# KiCad board ADHW.kicad_pcb (continued)
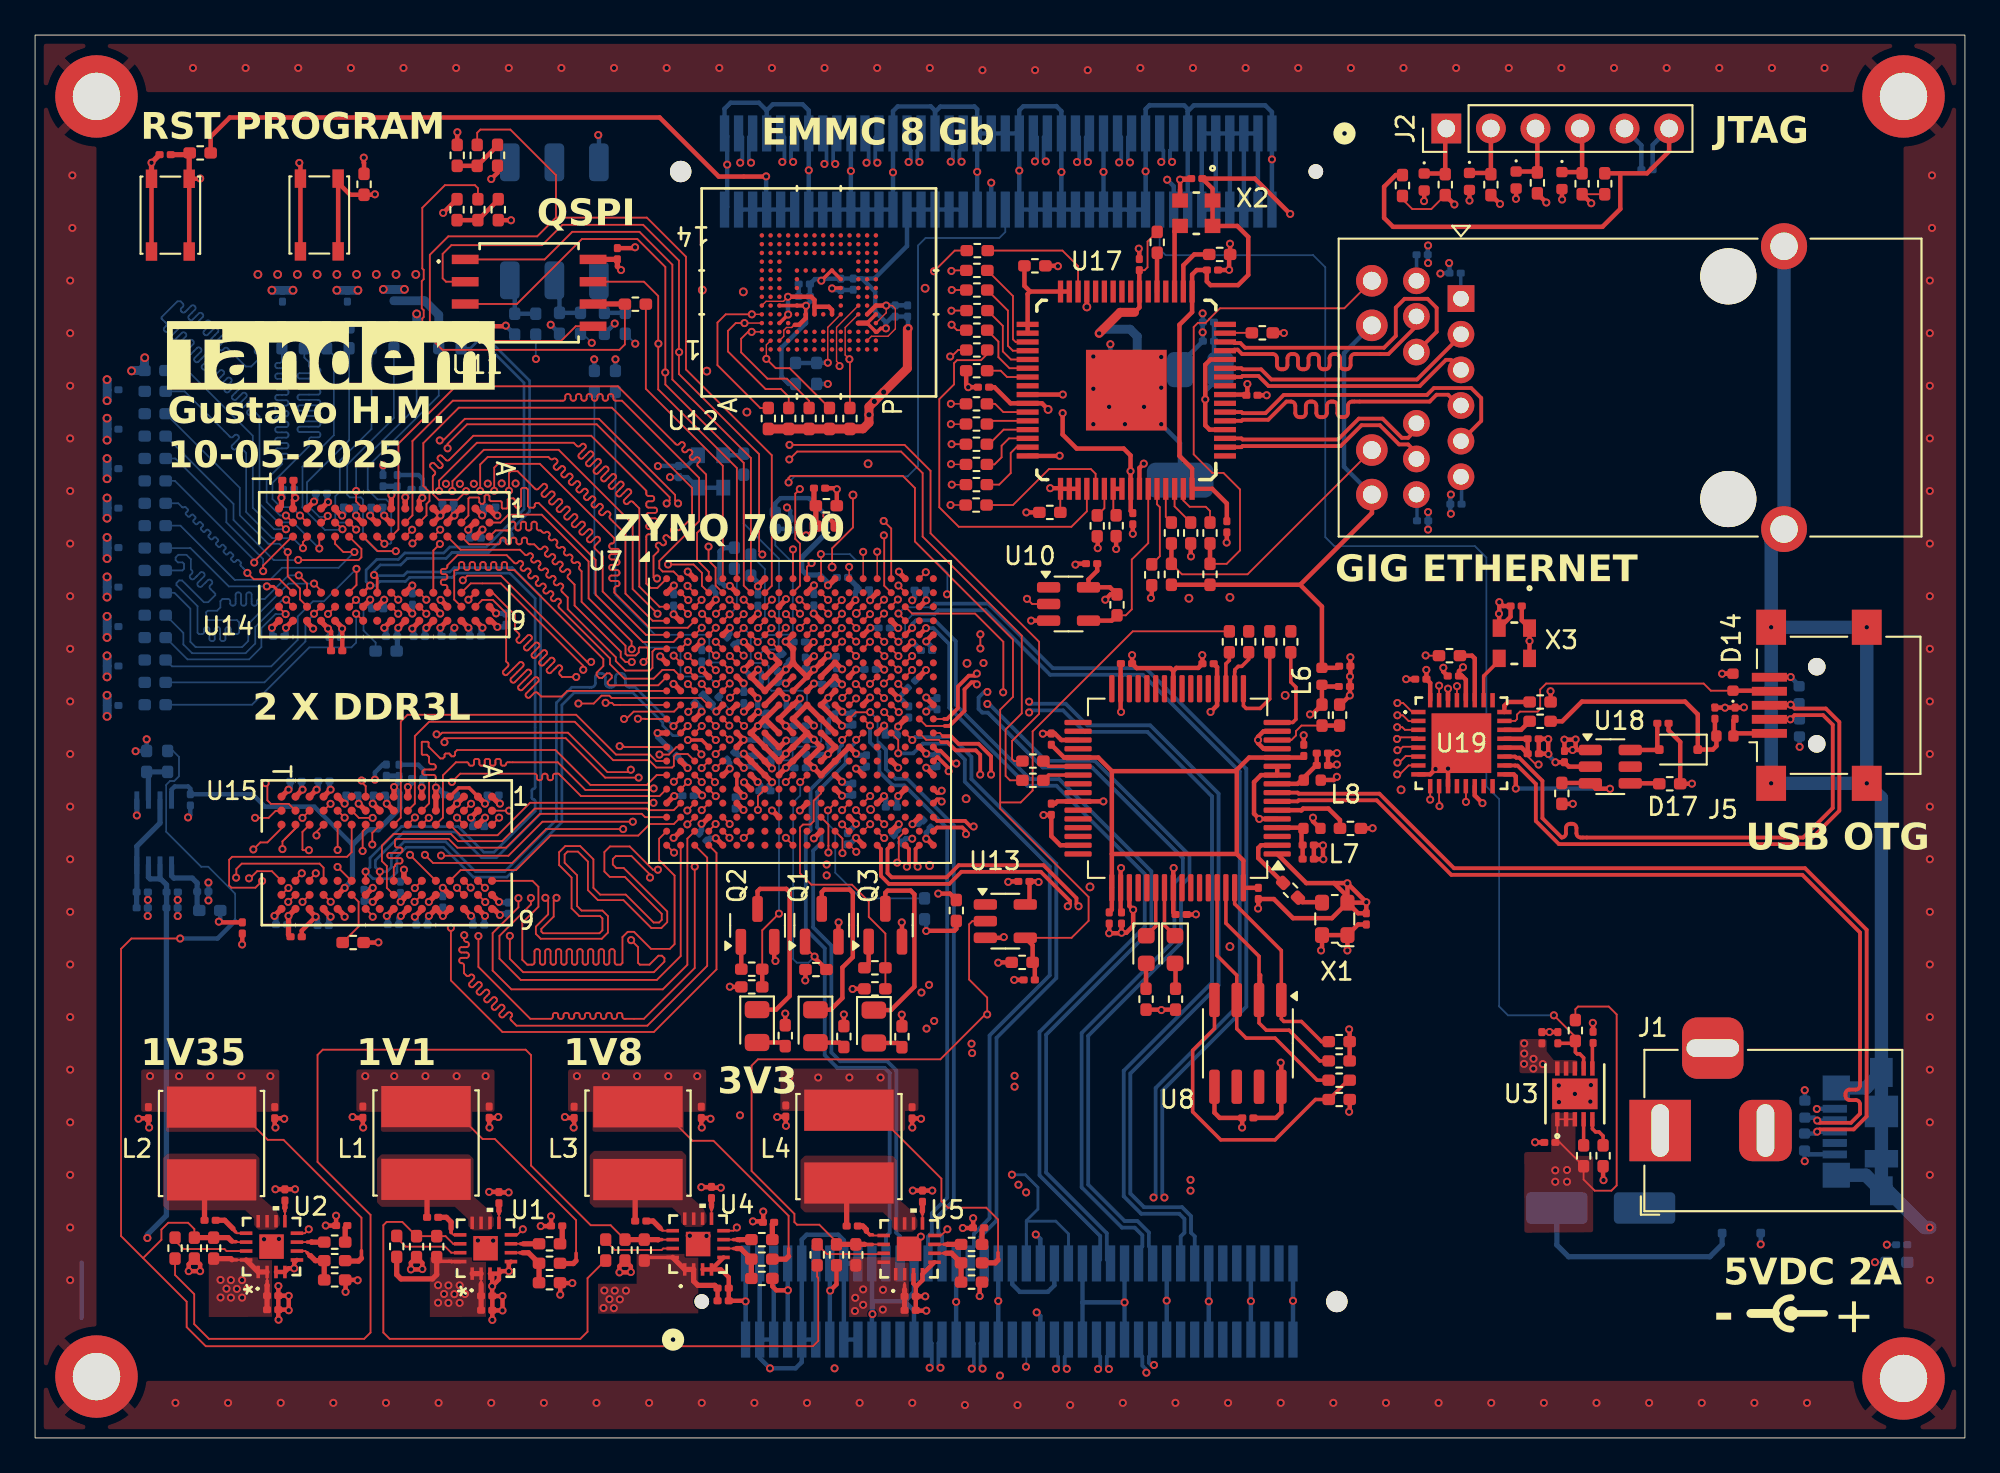
[diagram p0: board, top side]
## Routing (per net, layer and track width the routed paths; a pad name or vN(x,y) marks a point on that pad's centre or on a via; arc(x,y) is an arc through that point) (continued)
  Bottom w0.1: v1(15.03,49.19) 14.44,49.19 13.09,47.84 12.77,47.84 arc(12.68,47.8) 12.65,47.72 12.65,47.59 arc(12.61,47.5) 12.53,47.46 12.47,47.46 arc(12.38,47.5) 12.34,47.59 12.34,48.09 arc(12.31,48.18) 12.22,48.21 12.16,48.21 arc(12.07,48.18) 12.04,48.09 12.04,47.59 arc(12,47.5) 11.92,47.46 11.86,47.46 arc(11.77,47.5) 11.73,47.59 11.73,48.09 arc(11.7,48.18) 11.61,48.21 11.55,48.21 arc(11.46,48.18) 11.43,48.09 11.43,47.59 arc(11.39,47.5) 11.31,47.46 11.25,47.46 arc(11.16,47.5) 11.12,47.59 11.12,47.72 arc(11.09,47.8) 11,47.84 10.68,47.84 10.56,47.72 10.56,47.36 10.37,47.17 9.84,47.17 9.75,47.08 9.75,46.72 9.83,46.64 11.5,46.64 11.63,46.51 11.63,45.93 11.54,45.84 11.28,45.84 arc(11.19,45.88) 11.16,45.96 11.16,46.12 arc(11.12,46.2) 11.03,46.24 10.97,46.24 arc(10.89,46.2) 10.85,46.12 10.85,45.56 arc(10.82,45.48) 10.73,45.44 10.67,45.44 arc(10.58,45.48) 10.55,45.56 10.55,46.12 arc(10.51,46.2) 10.42,46.24 10.36,46.24 arc(10.28,46.2) 10.24,46.12 10.24,45.56 arc(10.21,45.48) 10.12,45.44 10.06,45.44 arc(9.97,45.48) 9.94,45.56 9.94,46.12 arc(9.9,46.2) 9.81,46.24 9.75,46.24 arc(9.67,46.2) 9.63,46.12 9.63,45.96 arc(9.6,45.88) 9.51,45.84 9.34,45.84 9.26,45.92 9.26,47.43 8.06,48.63 8.06,48.75 8.21,48.9 8.38,48.9 9.62,47.66 9.87,47.66 10.27,48.06 10.27,48.14 9.97,48.44 arc(9.94,48.52) 9.97,48.61 10.07,48.7 arc(10.1,48.79) 10.07,48.87 10.02,48.92 arc(9.94,48.95) 9.85,48.92 9.49,48.56 arc(9.41,48.52) 9.32,48.56 9.28,48.6 arc(9.24,48.69) 9.28,48.77 9.64,49.13 arc(9.67,49.22) 9.64,49.3 9.59,49.35 arc(9.51,49.38) 9.42,49.35 9.06,48.99 arc(8.98,48.95) 8.89,48.99 8.85,49.03 arc(8.81,49.12) 8.85,49.2 8.94,49.3 arc(8.98,49.38) 8.94,49.47 8.88,49.53 8.88,50.11 8.63,50.36 8.16,50.36 8.01,50.21 8.01,50.06 8.14,49.93 8.4,49.93 8.49,49.84 8.49,49.56 8.4,49.47 R107.2
DDR_A2: length 106.8
  Top w0.102: U15.P3 15.65,34.97 15.24,34.56 15.24,33.55 15.27,33.52 v1(15.61,33.52) ; U7.M3 v1(38,40.6) ; v1(15.27,50.74) 15.27,51.09 15.5,51.32 U14.P3
  In5.Cu w0.1: v1(15.61,33.52) 15.27,33.52 14.54,34.25 14.54,36.46 14.85,36.77 14.85,37.11 16.9,39.16 17.63,39.16 17.75,39.28 arc(17.82,39.31) 17.88,39.28 arc(17.94,39.26) 18.01,39.28 18.09,39.37 arc(18.12,39.43) 18.09,39.5 arc(18.07,39.56) 18.09,39.62 18.18,39.71 arc(18.25,39.74) 18.31,39.71 arc(18.37,39.69) 18.44,39.71 18.53,39.8 arc(18.55,39.86) 18.53,39.93 arc(18.5,39.99) 18.53,40.06 19.54,41.07 32.97,41.07 33.37,41.47 34.93,41.47 35.26,41.8 38.4,41.8 38.43,41.77 38.43,41.24 38.22,41.03 38.09,41.03 38,40.94 v1(38,40.6)
  In7.Cu w0.1: v1(15.61,33.52) 14.17,34.95 12.16,34.95 11.3,35.81 11.3,35.92 arc(11.26,36) 11.18,36.04 11.05,36.04 arc(10.97,36.08) 10.93,36.16 10.93,36.22 arc(10.97,36.31) 11.05,36.34 11.18,36.34 arc(11.26,36.38) 11.3,36.47 11.3,36.53 arc(11.26,36.61) 11.18,36.65 11.05,36.65 arc(10.97,36.69) 10.93,36.77 10.93,36.83 arc(10.97,36.92) 11.05,36.95 11.18,36.95 arc(11.26,36.99) 11.3,37.08 11.3,37.14 arc(11.26,37.22) 11.18,37.26 11.05,37.26 arc(10.97,37.29) 10.93,37.38 10.93,37.44 arc(10.97,37.53) 11.05,37.56 11.18,37.56 arc(11.26,37.6) 11.3,37.69 11.3,37.75 arc(11.26,37.83) 11.18,37.87 11.05,37.87 arc(10.97,37.9) 10.93,37.99 10.93,38.05 arc(10.97,38.14) 11.05,38.17 11.18,38.17 arc(11.26,38.21) 11.3,38.3 11.3,38.36 arc(11.26,38.44) 11.18,38.48 11.05,38.48 arc(10.97,38.51) 10.93,38.6 10.93,38.66 arc(10.97,38.75) 11.05,38.78 11.18,38.78 arc(11.26,38.82) 11.3,38.91 11.3,38.97 arc(11.26,39.05) 11.18,39.09 11.05,39.09 arc(10.97,39.12) 10.93,39.21 10.93,39.27 arc(10.97,39.36) 11.05,39.39 11.18,39.39 arc(11.26,39.43) 11.3,39.51 11.3,39.58 arc(11.26,39.66) 11.18,39.7 11.05,39.7 arc(10.97,39.73) 10.93,39.82 10.93,39.88 arc(10.97,39.97) 11.05,40 11.18,40 arc(11.26,40.04) 11.3,40.12 11.3,40.19 arc(11.26,40.27) 11.18,40.31 11.05,40.31 arc(10.97,40.34) 10.93,40.43 10.93,40.49 arc(10.97,40.58) 11.05,40.61 11.18,40.61 arc(11.26,40.65) 11.3,40.73 11.3,40.89 10.98,41.21 10.98,41.48 11.18,41.68 arc(11.26,41.71) 11.35,41.68 11.78,41.25 arc(11.86,41.21) 11.95,41.25 11.99,41.29 arc(12.03,41.38) 11.99,41.46 11.56,41.89 arc(11.53,41.98) 11.56,42.06 11.61,42.11 arc(11.69,42.14) 11.78,42.11 12.21,41.68 arc(12.29,41.64) 12.38,41.68 12.42,41.72 arc(12.46,41.81) 12.42,41.89 11.99,42.32 arc(11.96,42.41) 11.99,42.49 12.04,42.54 arc(12.12,42.57) 12.21,42.54 12.64,42.11 arc(12.72,42.07) 12.81,42.11 12.85,42.15 arc(12.89,42.24) 12.85,42.32 12.43,42.75 arc(12.39,42.84) 12.43,42.93 12.47,42.97 arc(12.55,43) 12.64,42.97 13.07,42.54 arc(13.16,42.5) 13.24,42.54 13.29,42.58 arc(13.32,42.67) 13.29,42.76 12.86,43.18 arc(12.82,43.27) 12.86,43.36 12.96,43.46 14.25,43.46 14.45,43.66 14.45,43.73 14.37,43.81 12.82,43.81 10.97,41.96 10.86,41.96 10.68,42.14 10.68,42.22 12.62,44.16 14.58,44.16 14.64,44.22 14.64,44.49 14.59,44.54 12.48,44.54 10.33,42.39 10.23,42.39 10.06,42.56 10.06,42.68 12.31,44.93 14.62,44.93 14.67,44.98 14.67,45.24 14.63,45.28 12.98,45.28 12.92,45.34 12.92,45.61 12.98,45.67 14.54,45.67 14.69,45.82 14.69,46.85 16.44,48.6 16.44,49.38 15.27,50.55 v1(15.27,50.74)
  Bottom w0.1: v1(15.27,50.74) 14.7,51.31 13.52,51.31 12.03,52.8 12.03,56.17 11.71,56.49 arc(11.63,56.52) 11.54,56.49 11.45,56.39 arc(11.36,56.36) 11.28,56.39 11.23,56.44 arc(11.2,56.52) 11.23,56.61 11.59,56.97 arc(11.63,57.05) 11.59,57.14 11.55,57.18 arc(11.46,57.22) 11.38,57.18 11.28,57.09 arc(11.2,57.05) 11.11,57.09 8.52,59.68 R108.2
DDR_A3: length 107.4
  Top w0.1: U7.K3 37.6,41.77 v1(37.23,41.41) ; U15.N2 16.84,36.16 v1(16.84,36.16)
  Top w0.102: U14.N2 16.38,52.2 16.68,52.5 v1(16.68,52.58)
  In5.Cu w0.1: 16.84,36.26 16.84,36.16 v1(16.84,36.16) 16.84,36.4 17.43,36.99 17.43,37.32 18.08,37.97 18.48,37.97 18.81,38.3 31.04,38.3 32.69,39.95 34.01,39.95 35.47,41.41 v1(37.23,41.41)
  In7.Cu w0.1: v1(16.84,36.16) 17.24,35.76 17.24,35.17 17.82,34.59 17.82,32 18.04,31.78 27.26,31.78 29.8,34.32 29.8,34.55 arc(29.76,34.63) 29.68,34.67 29.55,34.67 arc(29.46,34.71) 29.42,34.79 29.42,34.85 arc(29.46,34.94) 29.55,34.97 30.05,34.97 arc(30.14,35.01) 30.17,35.1 30.17,35.16 arc(30.14,35.24) 30.05,35.28 29.55,35.28 arc(29.46,35.31) 29.42,35.4 29.42,35.46 arc(29.46,35.55) 29.55,35.58 30.05,35.58 arc(30.14,35.62) 30.17,35.71 30.17,35.77 arc(30.14,35.85) 30.05,35.89 29.55,35.89 arc(29.46,35.92) 29.42,36.01 29.42,36.07 arc(29.46,36.16) 29.55,36.19 30.05,36.19 arc(30.14,36.23) 30.17,36.32 30.17,36.38 arc(30.14,36.46) 30.05,36.5 29.55,36.5 arc(29.46,36.53) 29.42,36.62 29.42,36.68 arc(29.46,36.77) 29.55,36.8 30.05,36.8 arc(30.14,36.84) 30.17,36.92 30.17,36.99 arc(30.14,37.07) 30.05,37.11 29.55,37.11 arc(29.46,37.14) 29.42,37.23 29.42,37.29 arc(29.46,37.38) 29.55,37.41 30.05,37.41 arc(30.14,37.45) 30.17,37.53 30.17,37.6 arc(30.14,37.68) 30.05,37.72 29.55,37.72 arc(29.46,37.75) 29.42,37.84 29.42,37.9 arc(29.46,37.99) 29.55,38.02 30.05,38.02 arc(30.14,38.06) 30.17,38.14 30.17,38.21 arc(30.14,38.29) 30.05,38.33 29.55,38.33 arc(29.46,38.36) 29.42,38.45 29.42,38.51 arc(29.46,38.6) 29.55,38.63 30.05,38.63 arc(30.14,38.67) 30.17,38.75 30.17,38.81 arc(30.14,38.9) 30.05,38.94 29.55,38.94 arc(29.46,38.97) 29.42,39.06 29.42,39.12 arc(29.46,39.21) 29.55,39.24 30.05,39.24 arc(30.14,39.28) 30.17,39.36 30.17,39.42 arc(30.14,39.51) 30.05,39.55 29.55,39.55 arc(29.46,39.58) 29.42,39.67 29.42,39.73 arc(29.46,39.82) 29.55,39.85 30.05,39.85 arc(30.14,39.89) 30.17,39.97 30.17,40.03 arc(30.14,40.12) 30.05,40.16 29.55,40.16 arc(29.46,40.19) 29.42,40.28 29.42,40.34 arc(29.46,40.42) 29.55,40.46 30.05,40.46 arc(30.14,40.5) 30.17,40.58 30.17,40.64 arc(30.14,40.73) 30.05,40.77 29.55,40.77 arc(29.46,40.8) 29.42,40.89 29.42,40.95 arc(29.46,41.03) 29.55,41.07 30.05,41.07 arc(30.14,41.11) 30.17,41.19 30.17,41.25 arc(30.14,41.34) 30.05,41.37 29.55,41.37 arc(29.46,41.41) 29.42,41.5 29.42,41.56 arc(29.46,41.64) 29.55,41.68 30.05,41.68 arc(30.14,41.72) 30.17,41.8 30.17,41.86 arc(30.14,41.95) 30.05,41.98 29.55,41.98 arc(29.46,42.02) 29.42,42.11 29.42,42.17 arc(29.46,42.25) 29.55,42.29 30.05,42.29 arc(30.14,42.33) 30.17,42.41 30.17,42.47 arc(30.14,42.56) 30.05,42.59 29.55,42.59 arc(29.46,42.63) 29.42,42.72 29.42,42.78 arc(29.46,42.86) 29.55,42.9 30.05,42.9 arc(30.14,42.93) 30.17,43.02 30.17,43.08 arc(30.14,43.17) 30.05,43.2 29.55,43.2 arc(29.46,43.24) 29.42,43.33 29.42,43.39 arc(29.46,43.47) 29.55,43.51 30.05,43.51 arc(30.14,43.54) 30.17,43.63 30.17,43.69 arc(30.14,43.78) 30.05,43.81 29.55,43.81 arc(29.46,43.85) 29.42,43.94 29.42,44 arc(29.46,44.08) 29.55,44.12 30.05,44.12 arc(30.14,44.15) 30.17,44.24 30.17,44.3 arc(30.14,44.39) 30.05,44.42 29.55,44.42 arc(29.46,44.46) 29.42,44.54 29.42,44.61 arc(29.46,44.69) 29.55,44.73 30.05,44.73 arc(30.14,44.76) 30.17,44.85 30.17,44.91 arc(30.14,45) 30.05,45.03 29.55,45.03 arc(29.46,45.07) 29.42,45.15 29.42,45.22 arc(29.46,45.3) 29.55,45.34 30.05,45.34 arc(30.14,45.37) 30.17,45.46 30.17,45.52 arc(30.14,45.61) 30.05,45.64 29.55,45.64 arc(29.46,45.68) 29.42,45.76 29.42,45.83 arc(29.46,45.91) 29.55,45.95 30.05,45.95 arc(30.14,45.98) 30.17,46.07 30.17,46.13 arc(30.14,46.22) 30.05,46.25 29.92,46.25 arc(29.84,46.29) 29.8,46.37 29.8,47.96 27.32,50.44 22.9,50.44 22.72,50.62 22.72,51.43 21.95,52.2 17.02,52.2 16.68,52.54 v1(16.68,52.58)
  Bottom w0.1: R109.2 17.9,56.9 15.5,54.5 15.5,53.22 16.2,52.52 16.62,52.52 v1(16.68,52.58)
DDR_A4: length 98.1
  Top w0.1: v1(15.25,30.57) U15.P8
  Top w0.102: v1(38.8,39.8) U7.M4 ; v1(14.4,50.52) 14.4,49.14 15.1,48.44 15.1,47.82 15.5,47.42 U14.P8
  In5.Cu w0.1: 15.24,30.56 v1(15.25,30.57) 15.44,30.37 15.44,29.04 18.58,25.9 31.99,25.9 35.66,29.57 35.7,29.61 arc(35.74,29.7) 35.7,29.79 35.59,29.9 arc(35.55,29.99) 35.59,30.08 35.63,30.12 arc(35.72,30.16) 35.8,30.12 36.21,29.71 arc(36.3,29.68) 36.38,29.71 36.42,29.76 arc(36.46,29.84) 36.42,29.93 36.02,30.33 arc(35.98,30.42) 36.02,30.51 36.06,30.55 arc(36.15,30.59) 36.23,30.55 36.64,30.14 arc(36.73,30.11) 36.81,30.14 36.86,30.19 arc(36.89,30.27) 36.86,30.36 36.45,30.77 arc(36.41,30.85) 36.45,30.94 36.49,30.98 arc(36.58,31.02) 36.66,30.98 37.07,30.57 arc(37.16,30.54) 37.24,30.57 37.29,30.62 arc(37.32,30.7) 37.29,30.79 36.88,31.2 arc(36.84,31.28) 36.88,31.37 36.92,31.41 arc(37.01,31.45) 37.1,31.41 37.5,31.01 arc(37.59,30.97) 37.67,31.01 37.72,31.05 arc(37.75,31.13) 37.72,31.22 37.31,31.63 arc(37.27,31.71) 37.31,31.8 37.35,31.84 arc(37.44,31.88) 37.53,31.84 37.93,31.44 arc(38.02,31.4) 38.11,31.44 38.15,31.48 arc(38.18,31.57) 38.15,31.65 38.03,31.77 arc(38,31.86) 38.03,31.94 38.71,32.62 38.71,33.33 39.2,33.82 39.2,39.2
  In5.Cu w0.102: v1(38.8,39.8) 38.8,39.6 39.2,39.2
  In7.Cu w0.1: v1(14.4,50.52) 14.39,50.52 13.9,51.01 13.9,51.52 13.15,52.27 11.48,52.27 4.76,45.55 4.76,31.47 6.04,30.19 14.86,30.19 v1(15.25,30.57)
  Bottom w0.1: v1(14.4,50.52) 13.93,50.99 13.29,50.99 11.67,52.61 11.67,54.18 R110.2
DDR_A5: length 106.5
  Top w0.1: v1(15.24,35.36) 15.24,35.36 U15.P2
  Top w0.102: U7.L1 34.79,41 34.78,41.01 v1(34.36,41.01) ; U14.P2 v1(15.1,52.6)
  In5.Cu w0.1: v1(34.36,41.01) 34.35,41.01 33.57,40.23 24.59,40.23 24.51,40.15 24.51,39.88 24.6,39.79 31.04,39.79 31.36,39.47 31.36,39.23 31.14,39.01 30.52,39.01 arc(30.43,38.97) 30.4,38.89 arc(30.36,38.81) 30.28,38.77 30.21,38.77 arc(30.13,38.81) 30.09,38.89 30.09,39.13 arc(30.06,39.21) 29.97,39.25 29.91,39.25 arc(29.82,39.21) 29.79,39.13 29.79,38.89 arc(29.75,38.81) 29.67,38.77 29.6,38.77 arc(29.52,38.81) 29.48,38.89 29.48,39.13 arc(29.45,39.21) 29.36,39.25 29.3,39.25 arc(29.22,39.21) 29.18,39.13 29.18,38.89 arc(29.14,38.81) 29.06,38.77 29,38.77 arc(28.91,38.81) 28.88,38.89 28.88,39.13 arc(28.84,39.21) 28.76,39.25 28.69,39.25 arc(28.61,39.21) 28.57,39.13 28.57,38.89 arc(28.54,38.81) 28.45,38.77 28.39,38.77 arc(28.3,38.81) 28.27,38.89 28.27,39.13 arc(28.23,39.21) 28.15,39.25 28.08,39.25 arc(28,39.21) 27.96,39.13 27.96,38.89 arc(27.93,38.81) 27.84,38.77 27.78,38.77 arc(27.69,38.81) 27.66,38.89 27.66,39.13 arc(27.62,39.21) 27.54,39.25 27.47,39.25 arc(27.39,39.21) 27.35,39.13 27.35,38.89 arc(27.32,38.81) 27.23,38.77 27.17,38.77 arc(27.08,38.81) 27.05,38.89 27.05,39.13 arc(27.01,39.21) 26.93,39.25 26.86,39.25 arc(26.78,39.21) 26.74,39.13 26.74,38.89 arc(26.71,38.81) 26.62,38.77 26.56,38.77 arc(26.47,38.81) 26.44,38.89 26.44,39.13 arc(26.4,39.21) 26.32,39.25 26.25,39.25 arc(26.17,39.21) 26.13,39.13 26.13,38.89 arc(26.1,38.81) 26.01,38.77 25.95,38.77 arc(25.86,38.81) 25.83,38.89 25.83,39.13 arc(25.79,39.21) 25.71,39.25 25.64,39.25 arc(25.56,39.21) 25.52,39.13 25.52,38.89 arc(25.49,38.81) 25.4,38.77 25.34,38.77 arc(25.25,38.81) 25.22,38.89 25.22,39.13 arc(25.18,39.21) 25.1,39.25 25.03,39.25 arc(24.95,39.21) 24.91,39.13 24.91,38.89 arc(24.88,38.81) 24.79,38.77 24.73,38.77 arc(24.64,38.81) 24.61,38.89 24.61,39.13 arc(24.57,39.21) 24.49,39.25 24.42,39.25 arc(24.34,39.21) 24.3,39.13 24.3,38.89 arc(24.27,38.81) 24.18,38.77 24.12,38.77 arc(24.03,38.81) 24,38.89 24,39.13 arc(23.96,39.21) 23.88,39.25 23.81,39.25 arc(23.73,39.21) 23.69,39.13 23.69,38.89 arc(23.66,38.81) 23.57,38.77 23.51,38.77 arc(23.42,38.81) 23.39,38.89 23.39,39.13 arc(23.35,39.21) 23.27,39.25 23.2,39.25 arc(23.12,39.21) 23.08,39.13 23.08,38.89 arc(23.05,38.81) 22.96,38.77 22.9,38.77 arc(22.81,38.81) 22.78,38.89 22.78,39.13 arc(22.74,39.21) 22.66,39.25 22.59,39.25 arc(22.51,39.21) 22.47,39.13 22.47,38.89 arc(22.44,38.81) 22.35,38.77 22.29,38.77 arc(22.2,38.81) 22.17,38.89 22.17,39.13 arc(22.13,39.21) 22.05,39.25 21.98,39.25 arc(21.9,39.21) 21.86,39.13 21.86,38.89 arc(21.83,38.81) 21.74,38.77 21.68,38.77 arc(21.6,38.81) 21.56,38.89 21.56,39.13 arc(21.52,39.21) 21.44,39.25 21.38,39.25 arc(21.29,39.21) 21.26,39.13 21.26,38.89 arc(21.22,38.81) 21.14,38.77 21.07,38.77 arc(20.99,38.81) 20.95,38.89 20.95,39.13 arc(20.92,39.21) 20.83,39.25 20.77,39.25 arc(20.68,39.21) 20.65,39.13 20.65,38.89 arc(20.61,38.81) 20.53,38.77 20.46,38.77 arc(20.38,38.81) 20.34,38.89 20.34,39.13 arc(20.31,39.21) 20.22,39.25 20.16,39.25 arc(20.07,39.21) 20.04,39.13 20.04,38.89 arc(20,38.81) 19.92,38.77 19.85,38.77 arc(19.77,38.81) 19.73,38.89 19.73,39.13 arc(19.7,39.21) 19.61,39.25 19.55,39.25 arc(19.46,39.21) 19.43,39.13 arc(19.39,39.05) 19.31,39.01 18.92,39.01 18.26,38.35 17.43,38.35 16.45,37.37 16.45,36.84 15.24,35.63 v1(15.24,35.36)
  In7.Cu w0.1: v1(15.1,52.6) 15.12,52.62 15.4,52.62 17.9,50.12 17.9,46.68 18.83,45.75 arc(18.87,45.66) 18.83,45.58 18.7,45.44 arc(18.66,45.36) 18.7,45.27 18.74,45.23 arc(18.83,45.19) 18.92,45.23 19.05,45.36 arc(19.13,45.4) 19.22,45.36 19.26,45.32 arc(19.3,45.23) 19.26,45.14 19.13,45.01 arc(19.1,44.93) 19.13,44.84 19.17,44.8 arc(19.26,44.76) 19.35,44.8 19.48,44.93 arc(19.56,44.96) 19.65,44.93 19.76,44.82 19.76,42.87 19.37,42.48 arc(19.33,42.39) 19.37,42.3 19.37,42.3 arc(19.41,42.21) 19.37,42.13 19.33,42.08 arc(19.24,42.05) 19.16,42.08 19.15,42.09 arc(19.06,42.12) 18.98,42.09 18.94,42.05 arc(18.9,41.96) 18.94,41.87 18.94,41.87 arc(18.98,41.78) 18.94,41.7 18.9,41.65 arc(18.81,41.62) 18.72,41.65 18.72,41.66 arc(18.63,41.69) 18.55,41.66 18.5,41.61 arc(18.47,41.53) 18.5,41.44 18.51,41.44 arc(18.54,41.35) 18.51,41.26 18.47,41.22 arc(18.38,41.19) 18.29,41.22 18.29,41.23 arc(18.2,41.26) 18.12,41.23 18.07,41.18 arc(18.04,41.1) 18.07,41.01 18.08,41.01 arc(18.11,40.92) 18.08,40.83 18.03,40.79 arc(17.95,40.76) 17.86,40.79 17.86,40.8 arc(17.77,40.83) 17.69,40.8 17.64,40.75 arc(17.61,40.67) 17.64,40.58 17.65,40.58 arc(17.68,40.49) 17.65,40.4 17.6,40.36 arc(17.52,40.32) 17.43,40.36 17.43,40.36 arc(17.34,40.4) 17.25,40.36 17.21,40.32 arc(17.18,40.23) 17.21,40.15 17.22,40.14 arc(17.25,40.06) 17.22,39.97 17.17,39.93 arc(17.09,39.89) 17,39.93 17,39.93 arc(16.91,39.97) 16.82,39.93 16.78,39.89 arc(16.74,39.8) 16.78,39.72 16.78,39.71 arc(16.82,39.63) 16.78,39.54 16.74,39.5 arc(16.65,39.46) 16.57,39.5 16.56,39.5 arc(16.48,39.54) 16.39,39.5 16.35,39.46 arc(16.31,39.37) 16.35,39.29 16.35,39.28 arc(16.39,39.2) 16.35,39.11 16.31,39.07 arc(16.22,39.03) 16.14,39.07 16.13,39.07 arc(16.05,39.11) 15.96,39.07 15.92,39.03 arc(15.88,38.94) 15.92,38.86 15.92,38.85 arc(15.96,38.76) 15.92,38.68 15.88,38.64 arc(15.79,38.6) 15.71,38.64 15.7,38.64 arc(15.62,38.68) 15.53,38.64 15.49,38.6 arc(15.45,38.51) 15.49,38.42 15.49,38.42 arc(15.53,38.33) 15.49,38.25 15.45,38.2 arc(15.36,38.17) 15.28,38.2 15.27,38.21 arc(15.19,38.24) 15.1,38.21 14.64,37.75 13.97,37.75 13.62,37.4 13.62,36.62 14.07,36.17 14.43,36.17 v1(15.24,35.36)
  Bottom w0.1: R111.2 15.34,61.62 15.61,61.35 15.61,61.14 arc(15.65,61.06) 15.73,61.02 16.14,61.02 arc(16.22,60.99) 16.26,60.9 16.26,60.84 arc(16.22,60.75) 16.14,60.72 15.08,60.72 arc(15,60.68) 14.96,60.59 14.96,60.53 arc(15,60.45) 15.08,60.41 16.14,60.41 arc(16.22,60.38) 16.26,60.29 16.26,60.23 arc(16.22,60.14) 16.14,60.11 15.08,60.11 arc(15,60.07) 14.96,59.99 14.96,59.92 arc(15,59.84) 15.08,59.8 16.14,59.8 arc(16.22,59.77) 16.26,59.68 16.26,59.62 arc(16.22,59.53) 16.14,59.5 15.08,59.5 arc(15,59.46) 14.96,59.38 14.96,59.31 arc(15,59.23) 15.08,59.19 16.14,59.19 arc(16.22,59.16) 16.26,59.07 16.26,59.01 arc(16.22,58.92) 16.14,58.89 15.08,58.89 arc(15,58.85) 14.96,58.77 14.96,58.71 arc(15,58.62) 15.08,58.58 16.14,58.58 arc(16.22,58.55) 16.26,58.46 16.26,58.4 arc(16.22,58.31) 16.14,58.28 15.08,58.28 arc(15,58.24) 14.96,58.16 14.96,58.1 arc(15,58.01) 15.08,57.97 16.14,57.97 arc(16.22,57.94) 16.26,57.85 16.26,57.79 arc(16.22,57.7) 16.14,57.67 15.08,57.67 arc(15,57.63) 14.96,57.55 14.96,57.49 arc(15,57.4) 15.08,57.36 16.14,57.36 arc(16.22,57.33) 16.26,57.24 16.26,57.18 arc(16.22,57.09) 16.14,57.06 15.73,57.06 arc(15.65,57.02) 15.61,56.94 15.61,56.55 13.53,54.47 13.53,53.55 14,53.08 14.62,53.08 v1(15.1,52.6)
DDR_A6: length 98
  Top w0.1: U15.R8 14.83,30.97 v1(14.43,30.57)
  Top w0.102: 14.3,47.8 U14.R8 ; v1(38.8,40.6) U7.L4
  Top w0.167: v1(14.31,47.8) 14.3,47.8 14.3,47.8
  In5.Cu w0.1: v1(14.43,30.57) 14.99,30.01 14.99,28.31 18.21,25.09 26.25,25.09 arc(26.33,25.13) 26.37,25.21 26.37,25.34 arc(26.41,25.43) 26.49,25.46 26.55,25.46 arc(26.64,25.43) 26.67,25.34 26.67,24.84 arc(26.71,24.75) 26.8,24.71 26.86,24.71 arc(26.94,24.75) 26.98,24.84 26.98,25.34 arc(27.01,25.43) 27.1,25.46 27.16,25.46 arc(27.25,25.43) 27.28,25.34 27.28,24.84 arc(27.32,24.75) 27.41,24.71 27.47,24.71 arc(27.55,24.75) 27.59,24.84 27.59,25.34 arc(27.62,25.43) 27.71,25.46 27.77,25.46 arc(27.86,25.43) 27.89,25.34 27.89,24.84 arc(27.93,24.75) 28.02,24.71 28.08,24.71 arc(28.16,24.75) 28.2,24.84 28.2,25.34 arc(28.23,25.43) 28.32,25.46 28.38,25.46 arc(28.47,25.43) 28.5,25.34 28.5,24.84 arc(28.54,24.75) 28.63,24.71 28.69,24.71 arc(28.77,24.75) 28.81,24.84 28.81,25.34 arc(28.84,25.43) 28.93,25.46 28.99,25.46 arc(29.08,25.43) 29.11,25.34 29.11,24.84 arc(29.15,24.75) 29.23,24.71 29.3,24.71 arc(29.38,24.75) 29.42,24.84 29.42,25.34 arc(29.45,25.43) 29.54,25.46 29.6,25.46 arc(29.69,25.43) 29.72,25.34 29.72,24.84 arc(29.76,24.75) 29.84,24.71 29.91,24.71 arc(29.99,24.75) 30.03,24.84 30.03,25.34 arc(30.06,25.43) 30.15,25.46 30.21,25.46 arc(30.3,25.43) 30.33,25.34 30.33,24.84 arc(30.37,24.75) 30.45,24.71 30.51,24.71 arc(30.6,24.75) 30.64,24.84 30.64,25.34 arc(30.67,25.43) 30.76,25.46 30.82,25.46 arc(30.91,25.43) 30.94,25.34 30.94,24.84 arc(30.98,24.75) 31.06,24.71 31.12,24.71 arc(31.21,24.75) 31.25,24.84 31.25,25.34 arc(31.28,25.43) 31.37,25.46 31.43,25.46 arc(31.52,25.43) 31.55,25.34 31.55,25.21 arc(31.59,25.13) 31.67,25.09 32.45,25.09 39.22,31.86 39.22,33.08 40,33.86 40,39.18 39.78,39.4 39.41,39.4 39.19,39.61 39.19,40.2 v1(38.8,40.6)
  In7.Cu w0.1: v1(14.43,30.57) 13.62,31.38 13.62,32.12 13.5,32.24 12.71,32.24 12.58,32.11 12.58,31.68 12.39,31.49 12.01,31.49 11.82,31.68 11.82,32.24 11.61,32.45 7.29,32.45 6.7,33.04 6.7,39.46 6.79,39.55 6.79,40.36 6.54,40.62 6.54,45.16 12.22,50.84 12.55,50.84 14.31,49.08 v1(14.31,47.8)
  Bottom w0.1: v1(14.31,47.8) 14.1,47.8 12.55,46.25 12.55,45.3 12,44.75 8.95,44.75 8.45,45.25 8.45,45.91 R112.2
DDR_A7: length 106.9
  Top w0.102: v1(13.14,37.34) 13.24,37.24 13.24,36.36 13.44,36.16 14.46,36.16 U15.R2 ; U7.K4 38.37,41.8 37.97,42.2 32.86,42.2 32.73,42.33 32.29,42.33 31.84,41.88 v1(30.97,41.88) ; U14.R2 v1(14.3,52.6)
  In5.Cu w0.1: v1(13.14,37.34) 13.45,37.34 16.15,40.04 16.79,40.04 18.63,41.88 v1(30.97,41.88)
  In7.Cu w0.1: v1(14.3,52.6) 14.31,52.6 14.86,52.05 15.45,52.05 17.5,50 17.5,46.73 18.26,45.97 18.26,44.48 arc(18.3,44.39) 18.38,44.36 19.06,44.36 arc(19.14,44.32) 19.18,44.24 19.18,44.17 arc(19.14,44.09) 19.06,44.05 18.38,44.05 arc(18.3,44.02) 18.26,43.93 18.26,43.87 arc(18.3,43.78) 18.38,43.75 19.06,43.75 arc(19.14,43.71) 19.18,43.63 19.18,43.56 arc(19.14,43.48) 19.06,43.44 18.38,43.44 arc(18.3,43.41) 18.26,43.32 18.26,43.26 arc(18.3,43.17) 18.38,43.14 19.06,43.14 arc(19.14,43.1) 19.18,43.02 19.18,42.96 arc(19.14,42.87) 19.06,42.83 18.38,42.83 arc(18.3,42.8) 18.26,42.71 18.26,42.56 17.85,42.15 arc(17.82,42.07) 17.85,41.98 17.95,41.89 arc(17.98,41.8) 17.95,41.72 17.9,41.67 arc(17.82,41.64) 17.73,41.67 17.37,42.03 arc(17.29,42.07) 17.2,42.03 17.16,41.99 arc(17.12,41.9) 17.16,41.82 17.52,41.46 arc(17.55,41.37) 17.52,41.29 17.47,41.24 arc(17.39,41.21) 17.3,41.24 16.94,41.6 arc(16.86,41.64) 16.77,41.6 16.73,41.56 arc(16.69,41.47) 16.73,41.39 17.09,41.03 arc(17.12,40.94) 17.09,40.85 17.04,40.81 arc(16.96,40.78) 16.87,40.81 16.51,41.17 arc(16.43,41.21) 16.34,41.17 16.3,41.13 arc(16.26,41.04) 16.3,40.95 16.65,40.6 arc(16.69,40.51) 16.65,40.42 16.61,40.38 arc(16.52,40.34) 16.44,40.38 16.08,40.74 arc(15.99,40.77) 15.91,40.74 15.87,40.7 arc(15.83,40.61) 15.87,40.52 16.22,40.17 arc(16.26,40.08) 16.22,39.99 16.18,39.95 arc(16.09,39.91) 16.01,39.95 15.65,40.31 arc(15.56,40.34) 15.48,40.31 15.43,40.26 arc(15.4,40.18) 15.43,40.09 15.79,39.73 arc(15.83,39.65) 15.79,39.56 15.75,39.52 arc(15.66,39.48) 15.58,39.52 15.22,39.88 arc(15.13,39.91) 15.05,39.88 15,39.83 arc(14.97,39.75) 15,39.66 15.36,39.3 arc(15.4,39.22) 15.36,39.13 15.32,39.09 arc(15.23,39.05) 15.15,39.09 14.79,39.45 arc(14.7,39.48) 14.62,39.45 14.57,39.4 arc(14.54,39.32) 14.57,39.23 14.93,38.87 arc(14.97,38.79) 14.93,38.7 14.89,38.66 arc(14.8,38.62) 14.71,38.66 14.36,39.01 arc(14.27,39.05) 14.18,39.01 14.14,38.97 arc(14.11,38.89) 14.14,38.8 14.5,38.44 arc(14.53,38.35) 14.5,38.27 14.46,38.23 arc(14.37,38.19) 14.28,38.23 14.19,38.32 arc(14.1,38.35) 14.02,38.32 13.81,38.11 13.65,38.11 13.55,38.21 13.55,38.95 17.5,42.9 17.5,43 17.3,43.2 17.2,43.2 16.37,42.37 arc(16.29,42.34) 16.2,42.37 16.04,42.53 arc(15.95,42.57) 15.87,42.53 15.82,42.49 arc(15.79,42.4) 15.82,42.32 15.98,42.16 arc(16.02,42.07) 15.98,41.98 15.94,41.94 arc(15.85,41.9) 15.77,41.94 15.61,42.1 arc(15.52,42.14) 15.44,42.1 15.39,42.06 arc(15.36,41.97) 15.39,41.88 15.55,41.72 arc(15.59,41.64) 15.55,41.55 15.51,41.51 arc(15.42,41.47) 15.34,41.51 15.18,41.67 arc(15.09,41.7) 15,41.67 14.96,41.63 arc(14.93,41.54) 14.96,41.45 15.12,41.29 arc(15.16,41.21) 15.12,41.12 15.08,41.08 arc(14.99,41.04) 14.91,41.08 14.75,41.24 arc(14.66,41.27) 14.57,41.24 14.53,41.19 arc(14.49,41.11) 14.53,41.02 14.69,40.86 arc(14.73,40.78) 14.69,40.69 14.65,40.65 arc(14.56,40.61) 14.47,40.65 14.31,40.81 arc(14.23,40.84) 14.14,40.81 14.1,40.76 arc(14.06,40.68) 14.1,40.59 14.26,40.43 arc(14.29,40.35) 14.26,40.26 14.22,40.22 arc(14.13,40.18) 14.04,40.22 13.88,40.38 arc(13.8,40.41) 13.71,40.38 13.67,40.33 arc(13.63,40.25) 13.67,40.16 13.83,40 arc(13.86,39.91) 13.83,39.83 13.78,39.78 arc(13.7,39.75) 13.61,39.78 13.45,39.94 arc(13.37,39.98) 13.28,39.94 13.24,39.9 arc(13.2,39.82) 13.24,39.73 13.4,39.57 arc(13.43,39.48) 13.4,39.4 13.14,39.14 v1(13.14,37.34)
  Bottom w0.1: v1(14.3,52.6) 13.97,52.6 13.2,53.37 13.2,54.66 14.07,55.53 14.07,55.7 arc(14.1,55.79) 14.19,55.82 14.32,55.82 arc(14.41,55.86) 14.44,55.94 14.44,56 arc(14.41,56.09) 14.32,56.13 13.81,56.13 arc(13.73,56.16) 13.69,56.25 13.69,56.31 arc(13.73,56.4) 13.81,56.43 14.32,56.43 arc(14.41,56.47) 14.44,56.55 14.44,56.61 arc(14.41,56.7) 14.32,56.74 13.81,56.74 arc(13.73,56.77) 13.69,56.86 13.69,56.92 arc(13.73,57.01) 13.81,57.04 14.32,57.04 arc(14.41,57.08) 14.44,57.16 14.44,57.22 arc(14.41,57.31) 14.32,57.35 13.81,57.35 arc(13.73,57.38) 13.69,57.47 13.69,57.53 arc(13.73,57.62) 13.81,57.65 14.32,57.65 arc(14.41,57.69) 14.44,57.77 14.44,57.83 arc(14.41,57.92) 14.32,57.96 13.81,57.96 arc(13.73,57.99) 13.69,58.08 13.69,58.14 arc(13.73,58.22) 13.81,58.26 14.32,58.26 arc(14.41,58.3) 14.44,58.38 14.44,58.44 arc(14.41,58.53) 14.32,58.57 13.81,58.57 arc(13.73,58.6) 13.69,58.69 13.69,58.75 arc(13.73,58.83) 13.81,58.87 14.32,58.87 arc(14.41,58.91) 14.44,58.99 14.44,59.05 arc(14.41,59.14) 14.32,59.17 13.81,59.17 arc(13.73,59.21) 13.69,59.3 13.69,59.36 arc(13.73,59.44) 13.81,59.48 14.32,59.48 arc(14.41,59.52) 14.44,59.6 14.44,59.66 arc(14.41,59.75) 14.32,59.78 13.81,59.78 arc(13.73,59.82) 13.69,59.91 13.69,59.97 arc(13.73,60.05) 13.81,60.09 14.32,60.09 arc(14.41,60.12) 14.44,60.21 14.44,60.27 arc(14.41,60.36) 14.32,60.39 13.81,60.39 arc(13.73,60.43) 13.69,60.52 13.69,60.58 arc(13.73,60.66) 13.81,60.7 14.32,60.7 arc(14.41,60.73) 14.44,60.82 14.44,60.88 arc(14.41,60.97) 14.32,61 13.81,61 arc(13.73,61.04) 13.69,61.13 13.69,61.19 arc(13.73,61.27) 13.81,61.31 13.94,61.31 arc(14.03,61.34) 14.07,61.43 R113.2
